# KiCad board SmartEnergyMag_System.kicad_pcb
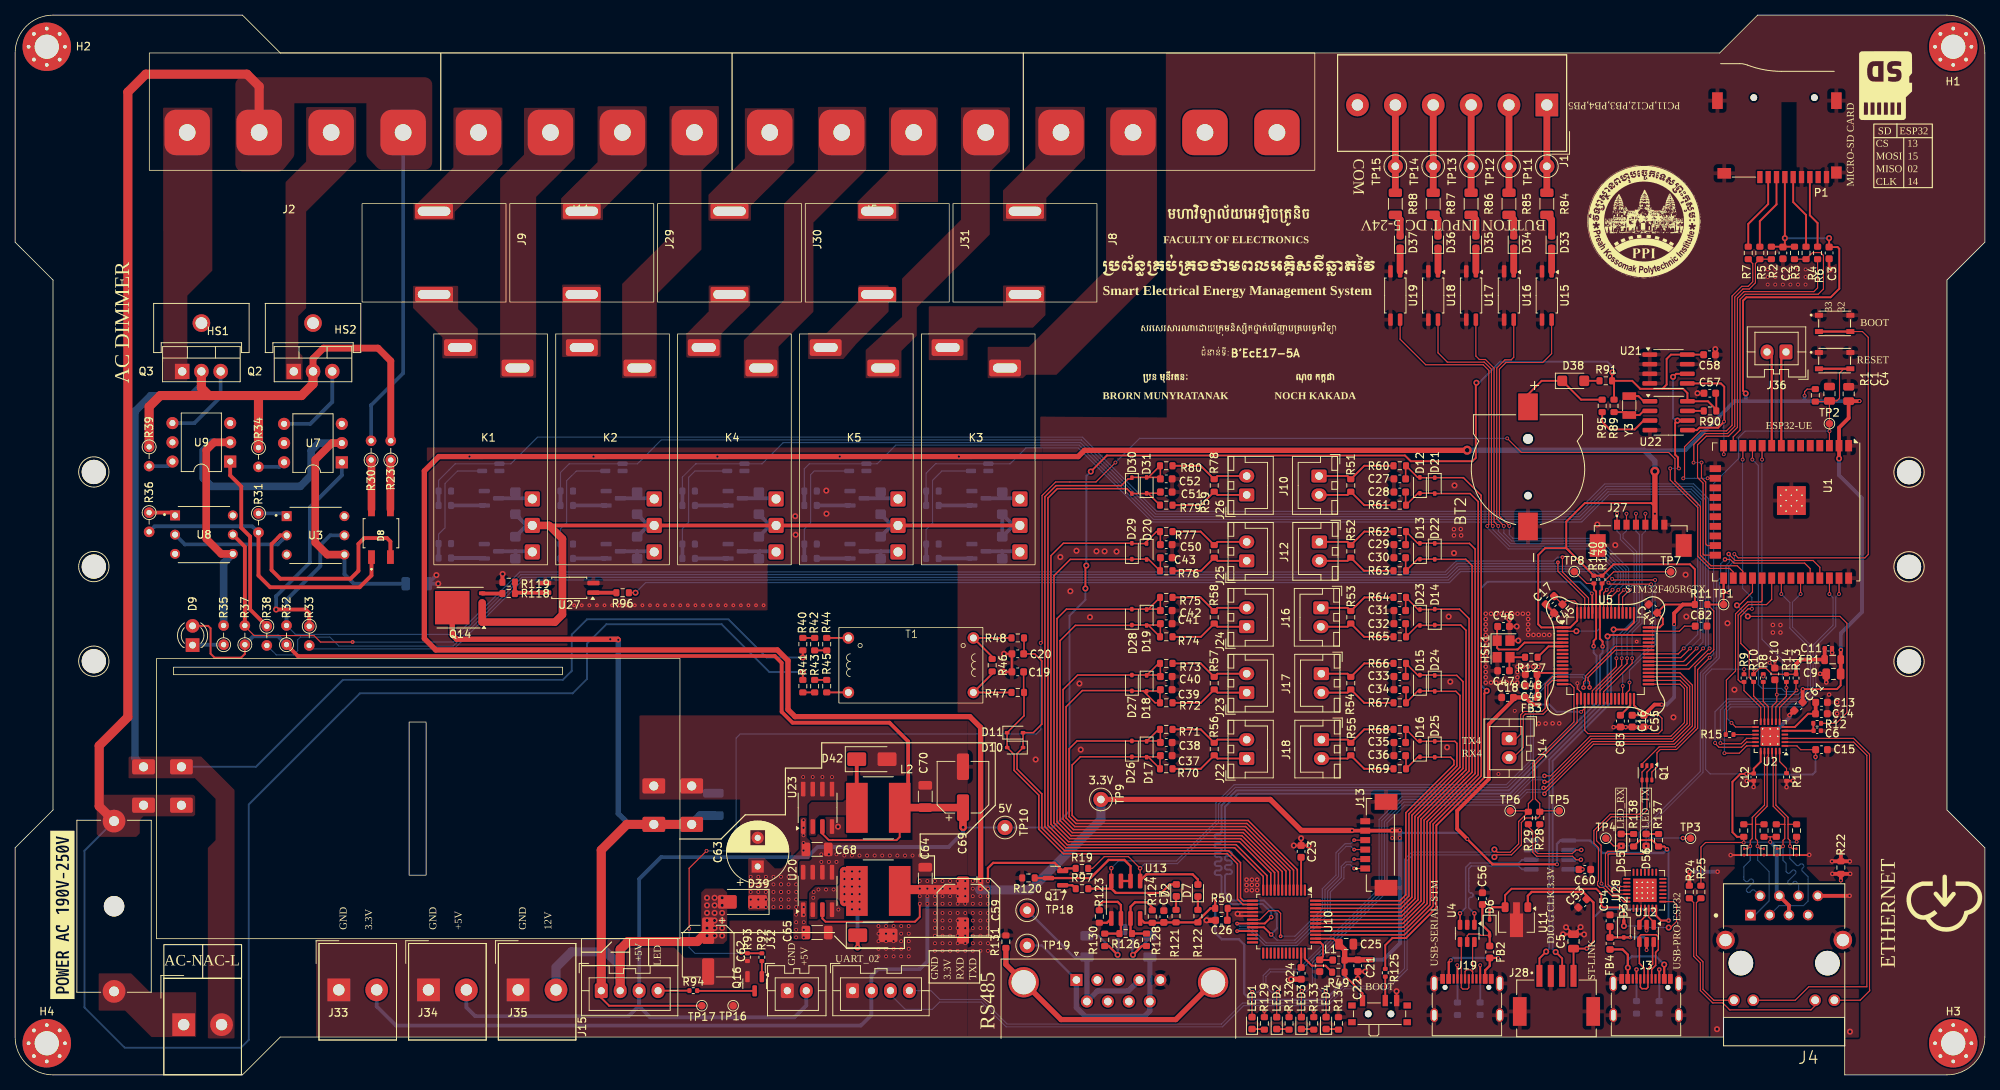
[diagram p0: board, top side]
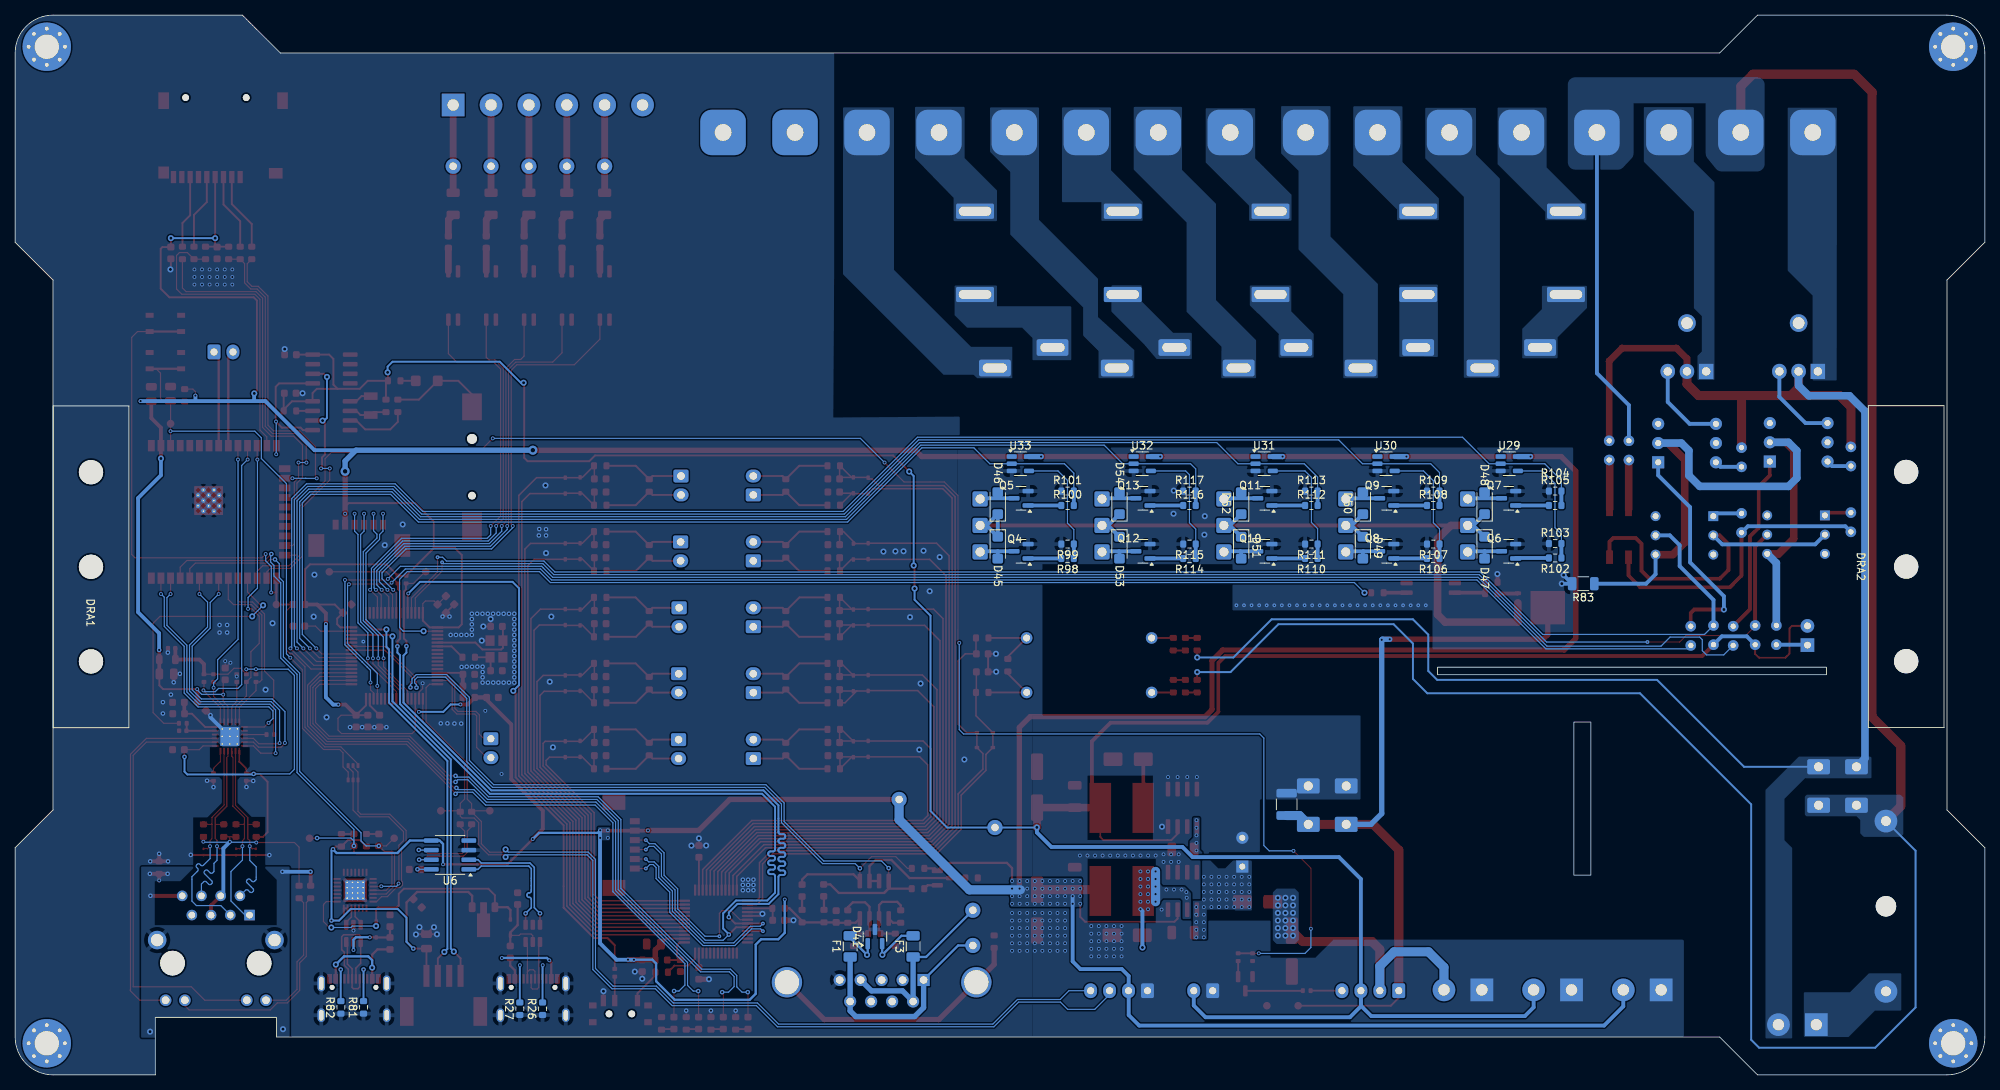
[diagram p1: board, bottom side, seen from below]

Outline 260 x 140 mm; copper layers: Top, Bottom (plane). Coordinates in mm from the lower left corner of the outline.
Outline path: rectangle 20.9,53.86 72.25,52.86 ; rectangle 52,46.61 54.25,26.38 ; 0,135 0,110 5,105 5,35 0,30 0,5 arc(1.46,1.46) 5,0 30,0 35,5 225.5,5 225.5,7.6 241.5,7.6 241.5,0 255,0 arc(258.54,1.46) 260,5 260,30 255,35 255,105 260,110 260,135 arc(258.54,138.54) 255,140 230,140 225,135 35,135 30,140 5,140 arc(1.46,138.54) 0,135
Stack: Top 0.035mm / dielectric 1.51mm FR4 er 4.5 / Bottom 0.035mm

## Placement (name value [footprint] x y rotation side)
BOOT1  SW_DPDT_x2  [SW_SPDT_PCM12]  180.11 8.38 0 top
BT2  BC501SM  [BAT_BC501SM]  199.69 80.02 90 top
C1  2.2uF  [C_0805_2012Metric]  239.49 89.99 90 top
C2  100nF  [C_0603_1608Metric]  233.35 108.58 270 top
C3  1uF  [C_0603_1608Metric]  239.44 108.58 270 top
C4  22uF  [C_0805_2012Metric]  242.03 89.96 90 top
C5  22uF  [C_0805_2012Metric]  205.7 17.63 90 top
C6  NC  [C_0402_1005Metric]  237.88 45.47 0 top
C7  100nF  [C_0603_1608Metric]  151.62 20.91 90 top
C9  22uF  [C_0805_2012Metric]  240.02 52.97 0 top
C10  100nF  [C_0603_1608Metric]  232.28 52.97 90 top
C11  100nF  [C_0402_1005Metric]  239.35 56.36 180 top
C12  1uF  [C_0402_1005Metric]  229.49 39.33 90 top
C13  470pF  [C_0603_1608Metric]  238.44 49.21 180 top
C14  1uF  [C_0603_1608Metric]  238.42 47.71 180 top
C15  30pF  [C_0603_1608Metric]  238.44 42.96 0 top
C16  100n  [C_0603_1608Metric]  213.44 46.73 270 top
C17  100n  [C_0603_1608Metric]  202.59 62.7 225 top
C18  100n  [C_0603_1608Metric]  197 49.86 180 top
C19  33nF  [C_0603_1608Metric]  132.35 53.24 180 top
C20  33nF  [C_0603_1608Metric]  132.35 55.62 180 top
C21  100nF  [C_0603_1608Metric]  172.19 14.42 90 top
C22  100nF  [C_0603_1608Metric]  177.22 14.42 270 top
C23  33nF  [C_0603_1608Metric]  169.75 29.52 270 top
C24  33nF  [C_0603_1608Metric]  169.75 13.41 90 top
C25  10uF/10V  [C_0805_2012Metric]  175.69 17.27 180 top
C26  33nF  [C_0603_1608Metric]  159.23 20.42 0 top
C27  33nF  [C_0603_1608Metric]  182.77 78.73 180 top
C28  33nF  [C_0603_1608Metric]  182.77 77 180 top
C29  33nF  [C_0603_1608Metric]  182.77 70.05 180 top
C30  33nF  [C_0603_1608Metric]  182.77 68.32 180 top
C31  33nF  [C_0603_1608Metric]  182.77 61.34 180 top
C32  33nF  [C_0603_1608Metric]  182.77 59.6 180 top
C33  33nF  [C_0603_1608Metric]  182.77 52.62 180 top
C34  33nF  [C_0603_1608Metric]  182.77 50.89 180 top
C35  33nF  [C_0603_1608Metric]  182.77 43.91 180 top
C36  33nF  [C_0603_1608Metric]  182.77 42.17 180 top
C37  33nF  [C_0603_1608Metric]  151.94 42.17 0 top
C38  33nF  [C_0603_1608Metric]  151.94 43.91 0 top
C39  33nF  [C_0603_1608Metric]  151.94 50.89 0 top
C40  33nF  [C_0603_1608Metric]  151.94 52.62 0 top
C41  33nF  [C_0603_1608Metric]  151.94 59.6 0 top
C42  33nF  [C_0603_1608Metric]  151.94 61.34 0 top
C43  33nF  [C_0603_1608Metric]  151.94 68.32 0 top
C44  100n  [C_0603_1608Metric]  216.17 61.6 135 top
C45  100n  [C_0603_1608Metric]  203.69 61.6 225 top
C46  10p  [C_0603_1608Metric]  196.46 59.24 0 top
C47  10p  [C_0603_1608Metric]  196.46 53.39 180 top
C48  1u  [C_0603_1608Metric]  200.12 52.91 180 top
C49  100n  [C_0603_1608Metric]  200.12 51.38 180 top
C50  33nF  [C_0603_1608Metric]  151.94 70.05 0 top
C51  33nF  [C_0603_1608Metric]  151.94 77 0 top
C52  33nF  [C_0603_1608Metric]  151.94 78.73 0 top
C53  100n  [C_0603_1608Metric]  206.88 22.66 45 top
C54  100n  [C_0603_1608Metric]  210.52 20.36 90 top
C55  100n  [C_0603_1608Metric]  215 46.73 270 top
C56  100n  [C_0603_1608Metric]  193.68 23.28 90 top
C57  100nF  [C_0603_1608Metric]  223.69 90.05 0 top
C58  100nF  [C_0603_1608Metric]  223.66 95.14 180 top
C59  220uF/16V  [CP_Elec_6.3x4.5]  125.11 21.76 270 top
C60  100n  [C_0603_1608Metric]  207.19 27.13 180 top
C61  100n  [C_0603_1608Metric]  235.39 48.69 225 top
C62  220uF/35V  [CP_Elec_6.3x4.5]  91.48 16.35 270 top
C63  220uF/35V  [CP_Radial_D8.0mm_P3.80mm]  98.02 27.52 90 top
C64  C  [C_1206_3216Metric]  120.14 25.95 90 top
C65  C  [C_1206_3216Metric]  105.86 18.8 0 top
C68  C  [C_1206_3216Metric]  105.86 29.79 0 top
C69  220uF/16V  [CP_Elec_6.3x4.5]  125.11 38.01 90 top
C70  C  [C_1206_3216Metric]  120.14 36.77 90 top
C71  C  [C_1210_3225Metric]  92.17 35.73 270 bottom
C82  10p  [C_0603_1608Metric]  222.55 59.28 0 top
C83  10p  [C_0603_1608Metric]  211.89 46.73 270 top
D1  ESD9B3.3ST5G  [D_SOD-923]  232.56 29.45 270 top
D2  LED  [LED_0603_1608Metric]  153.27 24.37 90 top
D3  ESD9B3.3ST5G  [D_SOD-923]  235.13 29.45 270 top
D4  ESD9B3.3ST5G  [D_SOD-923]  228.23 29.45 270 top
D5  ESD9B3.3ST5G  [D_SOD-923]  230.83 29.45 270 top
D6  D_Schottky  [D_SOD-323]  194.62 19.48 270 top
D7  LED  [LED_0603_1608Metric]  156.12 24.35 90 top
D8  MBS6  [DIOB_MBS6]  48.28 71.55 90 top
D9  LED  [LED_D3.0mm]  23.42 56.77 90 top
D10  1N4148WS  [D_SOD-323]  132 43.24 180 top
D11  1N4148WS  [D_SOD-323]  131.99 45.21 0 top
D12  1N4148WS  [D_SOD-323]  185.43 77.89 90 top
D13  1N4148WS  [D_SOD-323]  185.43 69.18 90 top
D14  1N4148WS  [D_SOD-323]  187.38 60.47 90 top
D15  1N4148WS  [D_SOD-323]  185.43 51.77 90 top
D16  1N4148WS  [D_SOD-323]  185.43 43.06 90 top
D17  1N4148WS  [D_SOD-323]  149.36 43.02 270 top
D18  1N4148WS  [D_SOD-323]  149.36 51.72 270 top
D19  1N4148WS  [D_SOD-323]  149.36 60.43 270 top
D20  1N4148WS  [D_SOD-323]  149.36 69.14 270 top
D21  1N4148WS  [D_SOD-323]  187.38 77.84 270 top
D22  1N4148WS  [D_SOD-323]  187.38 69.16 270 top
D23  1N4148WS  [D_SOD-323]  185.43 60.43 270 top
D24  1N4148WS  [D_SOD-323]  187.38 51.72 270 top
D25  1N4148WS  [D_SOD-323]  187.38 43.02 270 top
D26  1N4148WS  [D_SOD-323]  147.41 43.06 90 top
D27  1N4148WS  [D_SOD-323]  147.41 51.77 90 top
D28  1N4148WS  [D_SOD-323]  147.41 60.47 90 top
D29  1N4148WS  [D_SOD-323]  147.41 69.18 90 top
D30  1N4148WS  [D_SOD-323]  147.41 77.84 270 top
D31  1N4148WS  [D_SOD-323]  149.36 77.89 90 top
D32  D_Schottky  [D_SOD-323]  212.35 19.21 270 top
D33  LED  [LED_0603_1608Metric]  202.81 110.02 90 top
D34  LED  [LED_0603_1608Metric]  197.81 110.02 90 top
D35  LED  [LED_0603_1608Metric]  192.81 110.02 90 top
D36  LED  [LED_0603_1608Metric]  187.81 110.02 90 top
D37  LED  [LED_0603_1608Metric]  182.81 110.02 90 top
D38  D  [D_SMF]  205.67 91.69 0 top
D39  SS34  [D_SMA]  96 22.85 180 top
D40  SS34  [D_SMA]  113.22 18.44 0 top
D41  SZNUP2105L  [SOT-23]  146.51 18.28 90 bottom
D42  SS34  [D_SMA]  113.09 41.7 0 top
D45  D  [D_SMF]  130.3 69.65 270 bottom
D46  D  [D_SMF]  130.3 75.52 90 bottom
D47  D  [D_SMF]  66.04 69.65 270 bottom
D48  D  [D_SMF]  66.04 75.52 90 bottom
D49  D  [D_SMF]  82.1 69.65 270 bottom
D50  D  [D_SMF]  82.1 75.52 90 bottom
D51  D  [D_SMF]  98.17 69.65 270 bottom
D52  D  [D_SMF]  98.17 75.52 90 bottom
D53  D  [D_SMF]  114.23 69.65 270 bottom
D54  D  [D_SMF]  114.23 75.52 90 bottom
D55  LED_RX  [LED_0603_1608Metric]  212 31.03 90 top
D56  LED_TX  [LED_0603_1608Metric]  215.28 31.03 90 top
DRA1  DIN_Rail_Adapter  [DINRailAdapter_3xM3_PhoenixContact_1201578]  249.99 67.12 90 top
DRA2  DIN_Rail_Adapter  [DINRailAdapter_3xM3_PhoenixContact_1201578]  10.39 67.15 90 top
F1  0.1A  [Fuse_1206_3216Metric]  149.78 16.97 90 bottom
F2  Fuse  [Fuseholder_Cylinder-5x20mm_Schurter_0031_8201_Horizontal_Open]  13.06 11.03 90 top
F3  0.1A  [Fuse_1206_3216Metric]  141.47 16.97 90 bottom
FB1  C139168  [L_0805_2012Metric]  239.92 54.86 0 top
FB2  FB_Small  [L_0603_1608Metric]  194.64 16.23 270 top
FB3  Ferrite_Bead_Small  [L_0603_1608Metric]  200.12 49.86 180 top
FB4  FB_Small  [L_0603_1608Metric]  210.52 17.36 270 top
G***  -  [LOGO]  246.9 130.69 180 top
G***#2  -  [LOGO]  161.09 102.2 0 top
G***#3  -  [LOGO]  215.02 112.75 0 top
G***#4  -  [LOGO]  254.66 22.69 180 top
H1  MountingHole_Pad  [MountingHole_3.2mm_M3_Pad_Via]  255.82 135.82 0 top
H2  MountingHole_Pad  [MountingHole_3.2mm_M3_Pad_Via]  4.18 135.82 0 top
H3  MountingHole_Pad  [MountingHole_3.2mm_M3_Pad_Via]  255.82 4.17 0 top
H4  MountingHole_Pad  [MountingHole_3.2mm_M3_Pad_Via]  4.18 4.17 0 top
HS1  Heatsink_Pad  [HSINK_SK_95_25_STS_TO_220]  24.59 99.32 0 top
HS2  Heatsink_Pad  [HSINK_SK_95_25_STS_TO_220]  39.32 99.32 0 top
HSE1  8MHz  [Crystal_SMD_Abracon_ABM8G-4Pin_3.2x2.5mm]  196.46 56.27 270 top
J1  Screw_Terminal_01x06  [Altech_AK300_1x06_P5.00mm_45-Degree]  202.18 128.13 180 top
J2  Screw_Terminal_01x04  [DBT50G-9.5-4P]  51.21 124.5 180 top
J3  USB_C_Receptacle_USB2.0_16P  [USB_C_Receptacle_G-Switch_GT-USB-7010ASV]  215.27 8.95 0 top
J4  HR911105A  [HANRUN_HR911105A]  233.51 14.76 180 top
J5  Screw_Terminal_01x04  [DBT50G-9.5-4P]  128.11 124.5 180 top
J6  Screw_Terminal_01x04  [DBT50G-9.5-4P]  166.56 124.5 180 top
J7  DE9_Plug_MountingHoles  [DSUB-9_Male_Horizontal_P2.77x2.84mm_EdgePinOffset4.94mm_Housed_MountingHolesOffset7.48mm]  140.08 12.53 0 top
J8  Conn_01x02_Pin  [ZHT103]  133.3 114 270 top
J9  Conn_01x02_Pin  [ZHT103]  55.3 114 270 top
J10  Conn_01x02_Pin  [JST_XH_B2B-XH-A_1x02_P2.50mm_Vertical]  172.11 79.11 270 top
J11  Screw_Terminal_01x04  [DBT50G-9.5-4P]  89.66 124.5 180 top
J12  Conn_01x02_Pin  [JST_XH_B2B-XH-A_1x02_P2.50mm_Vertical]  172.16 70.41 270 top
J13  0533980671  [MOLEX_0533980671]  178.86 30.38 90 top
J14  Conn_01x02_Pin  [JST_XA_B02B-XASK-1_1x02_P2.50mm_Vertical]  197.21 44.41 270 top
J15  Conn_01x04_Pin  [JST_XA_B04B-XASK-1_1x04_P2.50mm_Vertical]  77.36 11.12 0 top
J16  Conn_01x02_Pin  [JST_XH_B2B-XH-A_1x02_P2.50mm_Vertical]  172.36 61.7 270 top
J17  Conn_01x02_Pin  [JST_XH_B2B-XH-A_1x02_P2.50mm_Vertical]  172.42 53 270 top
J18  Conn_01x02_Pin  [JST_XH_B2B-XH-A_1x02_P2.50mm_Vertical]  172.43 44.29 270 top
J19  C7506797  [USB_C_Receptacle_G-Switch_GT-USB-7010ASV]  191.63 8.95 0 top
J20  Conn_01x04_Pin  [JST_XA_B04B-XASK-1_1x04_P2.50mm_Vertical]  110.53 11.12 0 top
J21  Screw_Terminal_01x02  [Altech_AK300_1x02_P5.00mm_45-Degree]  22.25 6.63 0 top
J22  Conn_01x02_Pin  [JST_XH_B2B-XH-A_1x02_P2.50mm_Vertical]  162.56 41.79 90 top
J23  Conn_01x02_Pin  [JST_XH_B2B-XH-A_1x02_P2.50mm_Vertical]  162.56 50.5 90 top
J24  Conn_01x02_Pin  [JST_XH_B2B-XH-A_1x02_P2.50mm_Vertical]  162.56 59.2 90 top
J25  Conn_01x02_Pin  [JST_XH_B2B-XH-A_1x02_P2.50mm_Vertical]  162.56 67.91 90 top
J26  Conn_01x02_Pin  [JST_XH_B2B-XH-A_1x02_P2.50mm_Vertical]  162.56 76.61 90 top
J27  0533980671  [MOLEX_0533980671]  214.57 72.03 0 top
J28  SM04B-ZESS-TB_LF__SN_  [JST_SM04B-ZESS-TB_LF__SN_]  203.45 13.07 0 top
J29  Conn_01x02_Pin  [ZHT103]  74.8 114 270 top
J30  Conn_01x02_Pin  [ZHT103]  94.3 114 270 top
J31  Conn_01x02_Pin  [ZHT103]  113.8 114 270 top
J32  Conn_01x02_Pin  [JST_XA_B02B-XASK-1_1x02_P2.50mm_Vertical]  101.92 11.12 0 top
J33  Screw_Terminal_01x02  [Altech_AK300_1x02_P5.00mm_45-Degree]  42.73 11.22 0 top
J34  Screw_Terminal_01x02  [Altech_AK300_1x02_P5.00mm_45-Degree]  54.56 11.22 0 top
J35  Screw_Terminal_01x02  [Altech_AK300_1x02_P5.00mm_45-Degree]  66.39 11.22 0 top
J36  Conn_01x02_Pin  [JST_XA_B02B-XASK-1_1x02_P2.50mm_Vertical]  233.75 95.51 180 top
K1  Relay_SPST-NO  [K88A]  70.27 67.38 90 top
K2  Relay_SPST-NO  [K88A]  86.36 67.38 90 top
K3  Relay_SPST-NO  [K88A]  134.62 67.38 90 top
K4  Relay_SPST-NO  [K88A]  102.45 67.38 90 top
K5  Relay_SPST-NO  [K88A]  118.54 67.38 90 top
kibuzzard-6667FAC2  G***  [kibuzzard-6667FAC2]  6.24 21.13 90 top
L1  L  [L_0603_1608Metric]  174.71 15.17 0 top
L2  C3224219  [L_Bourns_SRN8040TA]  113.93 35.28 0 top
L4  C3224219  [L_Bourns_SRN8040TA]  113.93 24.29 0 top
LED1  R  [LED_0603_1608Metric]  163.26 6.84 90 top
LED2  R  [LED_0603_1608Metric]  166.52 6.84 90 top
LED3  Y  [LED_0603_1608Metric]  169.79 6.84 90 top
LED4  B  [LED_0603_1608Metric]  173.05 6.84 90 top
P1  C7529389  [SUNTECH_ST-TF-003A]  233.82 123.94 180 top
PS1  HLK-12M05A  [AC-DC]  21.95 48.4 0 top
Q1  C62892  [SOT-363_SC-70-6]  215.39 39.91 270 top
Q2  BT136-600  [TO-220-3_Vertical]  36.78 92.94 0 top
Q3  BT136-600  [TO-220-3_Vertical]  22.05 92.94 0 top
Q4  Q_NPN_BEC  [SOT-23]  127.23 69.17 0 bottom
Q5  Q_NPN_BEC  [SOT-23]  127.23 76.17 0 bottom
Q6  Q_NPN_BEC  [SOT-23]  62.86 69.17 0 bottom
Q7  Q_NPN_BEC  [SOT-23]  62.86 76.17 0 bottom
Q8  Q_NPN_BEC  [SOT-23]  78.95 69.17 0 bottom
Q9  Q_NPN_BEC  [SOT-23]  78.95 76.17 0 bottom
Q10  Q_NPN_BEC  [SOT-23]  95.05 69.17 0 bottom
Q11  Q_NPN_BEC  [SOT-23]  95.05 76.17 0 bottom
Q12  Q_NPN_BEC  [SOT-23]  111.14 69.17 0 bottom
Q13  Q_NPN_BEC  [SOT-23]  111.14 76.17 0 bottom
Q14  BSC026N08NS5  [TDSON-8-1]  58.75 61.72 180 top
Q16  Q_NPN_BEC  [SOT-23]  97.61 12.03 270 top
Q17  Q_PNP_BEC  [SOT-23]  137.34 26 180 top
R1  100K  [R_0603_1608Metric]  237.62 89.77 270 top
R2  10K  [R_0603_1608Metric]  231.82 108.58 90 top
R3  10K  [R_0603_1608Metric]  234.87 108.58 90 top
R4  22R  [R_0603_1608Metric]  236.39 108.58 90 top
R5  22R  [R_0603_1608Metric]  230.3 108.58 90 top
R6  22R  [R_0603_1608Metric]  237.92 108.58 90 top
R7  22R  [R_0603_1608Metric]  228.77 108.58 90 top
R8  10K  [R_0402_1005Metric]  230.75 52.42 270 top
R9  10K  [R_0402_1005Metric]  228.21 52.42 90 top
R10  10K  [R_0402_1005Metric]  229.48 52.42 90 top
R11  4.7K  [R_0603_1608Metric]  222.55 62.13 0 top
R12  0R  [R_0402_1005Metric]  237.86 46.44 0 top
R13  10K  [R_0402_1005Metric]  235.08 52.42 90 top
R14  10K  [R_0402_1005Metric]  233.81 52.42 90 top
R15  0R  [R_0402_1005Metric]  226.31 44.96 180 top
R16  12.1K  [R_0402_1005Metric]  233.82 39.35 90 top
R17  49.9R  [R_0603_1608Metric]  230.85 32.27 270 top
R18  49.9R  [R_0603_1608Metric]  228.18 32.27 270 top
R19  220K  [R_0603_1608Metric]  140.81 27.28 0 top
R20  49.9R  [R_0603_1608Metric]  235.14 32.27 270 top
R21  49.9R  [R_0603_1608Metric]  232.47 32.27 270 top
R22  0R  [R_0603_1608Metric]  241 27.38 90 top
R23  47K  [R_Axial_DIN0204_L3.6mm_D1.6mm_P2.54mm_Vertical]  49.58 81.23 90 top
R24  1K  [R_0603_1608Metric]  221 24.16 90 top
R25  1K  [R_0603_1608Metric]  222.52 24.16 90 top
R26  5.1K  [R_0603_1608Metric]  190.38 8.73 90 bottom
R27  5.1K  [R_0603_1608Metric]  193.38 8.73 90 bottom
R28  22R  [R_0603_1608Metric]  201.25 33.94 270 top
R29  22R  [R_0603_1608Metric]  199.75 33.94 270 top
R30  47K  [R_Axial_DIN0204_L3.6mm_D1.6mm_P2.54mm_Vertical]  46.98 81.23 90 top
R31  1K  [R_Axial_DIN0204_L3.6mm_D1.6mm_P2.54mm_Vertical]  32.12 74.18 270 top
R32  10K  [R_Axial_DIN0204_L3.6mm_D1.6mm_P2.54mm_Vertical]  35.82 56.83 90 top
R33  330  [R_Axial_DIN0204_L3.6mm_D1.6mm_P2.54mm_Vertical]  38.82 59.27 270 top
R34  330  [R_Axial_DIN0204_L3.6mm_D1.6mm_P2.54mm_Vertical]  32.12 82.86 270 top
R35  1K  [R_Axial_DIN0204_L3.6mm_D1.6mm_P2.54mm_Vertical]  27.52 56.83 90 top
R36  1K  [R_Axial_DIN0204_L3.6mm_D1.6mm_P2.54mm_Vertical]  17.69 74.28 270 top
R37  10K  [R_Axial_DIN0204_L3.6mm_D1.6mm_P2.54mm_Vertical]  30.32 56.83 90 top
R38  330  [R_Axial_DIN0204_L3.6mm_D1.6mm_P2.54mm_Vertical]  33.22 59.27 270 top
R39  330  [R_Axial_DIN0204_L3.6mm_D1.6mm_P2.54mm_Vertical]  17.69 82.96 270 top
R40  22K  [R_0603_1608Metric]  103.98 56.9 90 top
R41  22K  [R_0603_1608Metric]  103.98 51.35 270 top
R42  22K  [R_0603_1608Metric]  105.53 56.9 270 top
R43  22K  [R_0603_1608Metric]  105.53 51.35 90 top
R44  22K  [R_0603_1608Metric]  107.12 56.9 90 top
R45  22K  [R_0603_1608Metric]  107.12 51.35 270 top
R46  220R  [R_0603_1608Metric]  128.96 54.12 270 top
R47  510R  [R_0603_1608Metric]  132.35 50.52 0 top
R48  510R  [R_0603_1608Metric]  132.35 57.72 0 top
R49  220R  [R_0603_1608Metric]  174.67 13.56 180 top
R50  2K  [R_0603_1608Metric]  159.23 22 180 top
R51  30R  [R_0603_1608Metric]  176.3 77.86 90 top
R52  30R  [R_0603_1608Metric]  176.3 69.16 90 top
R53  30R  [R_0603_1608Metric]  176.3 60.45 90 top
R54  30R  [R_0603_1608Metric]  176.3 51.75 90 top
R55  30R  [R_0603_1608Metric]  176.3 43.04 90 top
R56  30R  [R_0603_1608Metric]  158.27 43.04 270 top
R57  30R  [R_0603_1608Metric]  158.27 51.75 270 top
R58  30R  [R_0603_1608Metric]  158.27 60.45 270 top
R59  30R  [R_0603_1608Metric]  158.27 69.16 270 top
R60  510R  [R_0603_1608Metric]  182.77 80.47 0 top
R61  510R  [R_0603_1608Metric]  182.77 75.26 0 top
R62  510R  [R_0603_1608Metric]  182.77 71.77 0 top
R63  510R  [R_0603_1608Metric]  182.77 66.6 0 top
R64  510R  [R_0603_1608Metric]  182.77 63.07 0 top
R65  510R  [R_0603_1608Metric]  182.77 57.87 0 top
R66  510R  [R_0603_1608Metric]  182.77 54.36 0 top
R67  510R  [R_0603_1608Metric]  182.77 49.15 0 top
R68  510R  [R_0603_1608Metric]  182.77 45.64 0 top
R69  510R  [R_0603_1608Metric]  182.77 40.44 0 top
R70  510R  [R_0603_1608Metric]  151.94 40.44 180 top
R71  510R  [R_0603_1608Metric]  151.94 45.64 180 top
R72  510R  [R_0603_1608Metric]  151.94 49.15 180 top
R73  510R  [R_0603_1608Metric]  151.94 54.36 180 top
R74  510R  [R_0603_1608Metric]  151.94 57.87 180 top
R75  510R  [R_0603_1608Metric]  151.94 63.07 180 top
R76  510R  [R_0603_1608Metric]  151.94 66.6 180 top
R77  510R  [R_0603_1608Metric]  151.94 71.77 180 top
R78  30R  [R_0603_1608Metric]  158.27 77.86 270 top
R79  510R  [R_0603_1608Metric]  151.94 75.26 180 top
R80  510R  [R_0603_1608Metric]  151.94 80.47 180 top
R81  5.1K  [R_0603_1608Metric]  214.01 8.91 90 bottom
R82  5.1K  [R_0603_1608Metric]  217 8.91 90 bottom
R83  0R  [R_1206_3216Metric]  53.02 64.88 0 bottom
R84  510R  [R_1206_3216Metric]  202.18 115.07 270 top
R85  510R  [R_1206_3216Metric]  197.18 115.07 270 top
R86  510R  [R_1206_3216Metric]  192.18 115.07 270 top
R87  510R  [R_1206_3216Metric]  187.18 115.07 270 top
R88  510R  [R_1206_3216Metric]  182.18 115.07 270 top
R89  100K  [R_0603_1608Metric]  211.06 88.38 270 top
R90  10K  [R_0603_1608Metric]  223.73 87.71 180 top
R91  100R  [R_0603_1608Metric]  209.96 91.69 180 top
R92  1K  [R_0402_1005Metric]  98.56 15.55 90 top
R93  1K  [R_0402_1005Metric]  96.67 15.55 90 top
R94  1K  [R_0402_1005Metric]  89.52 11.12 0 top
R95  100R  [R_0603_1608Metric]  209.49 88.38 90 top
R96  100R  [R_0603_1608Metric]  80.19 63.69 180 top
R97  220K  [R_0603_1608Metric]  140.82 24.59 0 top
R98  4.7K  [R_0603_1608Metric]  121.08 68.22 0 bottom
R99  100K  [R_0603_1608Metric]  121.08 70.12 0 bottom
R100  4.7K  [R_0603_1608Metric]  121.08 75.22 180 bottom
R101  100K  [R_0603_1608Metric]  121.08 77.12 180 bottom
R102  4.7K  [R_0603_1608Metric]  56.72 68.28 0 bottom
R103  100K  [R_0603_1608Metric]  56.72 70.19 0 bottom
R104  4.7K  [R_0603_1608Metric]  56.72 75.22 180 bottom
R105  100K  [R_0603_1608Metric]  56.72 77.12 180 bottom
R106  4.7K  [R_0603_1608Metric]  72.81 68.22 0 bottom
R107  100K  [R_0603_1608Metric]  72.81 70.12 0 bottom
R108  4.7K  [R_0603_1608Metric]  72.81 75.22 180 bottom
R109  100K  [R_0603_1608Metric]  72.81 77.12 180 bottom
R110  4.7K  [R_0603_1608Metric]  88.9 68.22 0 bottom
R111  100K  [R_0603_1608Metric]  88.9 70.12 0 bottom
R112  4.7K  [R_0603_1608Metric]  88.9 75.22 180 bottom
R113  100K  [R_0603_1608Metric]  88.9 77.12 180 bottom
R114  4.7K  [R_0603_1608Metric]  104.99 68.22 0 bottom
R115  100K  [R_0603_1608Metric]  104.99 70.12 0 bottom
R116  4.7K  [R_0603_1608Metric]  104.99 75.22 180 bottom
R117  100K  [R_0603_1608Metric]  104.99 77.12 180 bottom
R118  4.7K  [R_0603_1608Metric]  65.14 63.58 180 top
R119  100K  [R_0603_1608Metric]  65.14 65.08 180 top
R120  20K  [R_0603_1608Metric]  133.75 26.01 180 top
R121  10K  [R_0603_1608Metric]  153.24 20.97 90 top
R122  10K  [R_0603_1608Metric]  156.12 20.97 90 top
R123  4.7K  [R_0603_1608Metric]  143.11 20.91 270 top
R124  4.7K  [R_0603_1608Metric]  150.1 20.91 90 top
R125  10K  [R_0402_1005Metric]  180.86 13.48 270 top
R126  DNP  [R_0603_1608Metric]  146.6 18.66 180 top
R127  620  [R_0603_1608Metric]  200.13 55.17 180 top
R128  10R  [R_0603_1608Metric]  149.33 17.84 90 top
R129  330  [R_0603_1608Metric]  164.89 6.8 270 top
R130  10R  [R_0603_1608Metric]  143.82 17.84 90 top
R131  0R  [R_0603_1608Metric]  130.77 17.59 90 top
R132  330  [R_0603_1608Metric]  168.16 6.8 270 top
R133  330  [R_0603_1608Metric]  171.42 6.8 270 top
R134  100  [R_0603_1608Metric]  174.68 6.8 270 top
R137  5.1K  [R_0603_1608Metric]  216.93 30.99 90 top
R138  5.1K  [R_0603_1608Metric]  213.64 30.99 90 top
R139  10K  [R_0402_1005Metric]  209.47 65.44 270 top
R140  10K  [R_0402_1005Metric]  208.39 65.44 270 top
SW1  C221895  [SW_PTS810_SJM_250_SMTR_LFS]  240.17 94.36 0 top
SW2  C221895  [SW_PTS810_SJM_250_SMTR_LFS]  240.17 99.28 0 top
T1  -  [HPT225A-G]  118.33 57.72 0 top
TP1  TestPoint_Probe  [TestPoint_Pad_D1.0mm]  225.51 62.13 0 top
TP2  TestPoint_Probe  [TestPoint_Pad_D1.0mm]  239.49 86.03 0 top
TP3  TestPoint_Probe  [TestPoint_Pad_D1.0mm]  221.14 31.26 0 top
TP4  TestPoint_Probe  [TestPoint_Pad_D1.0mm]  209.97 31.26 0 top
TP5  TestPoint_Probe  [TestPoint_Pad_D1.0mm]  203.82 34.88 0 top
TP6  TestPoint_Probe  [TestPoint_Pad_D1.0mm]  197.35 34.88 0 top
TP7  TestPoint_Probe  [TestPoint_Pad_D1.0mm]  218.54 66.45 0 top
TP8  TestPoint_Probe  [TestPoint_Pad_D1.0mm]  205.8 66.48 0 top
TP9  TestPoint_Probe  [TestPoint_Loop_D1.80mm_Drill1.0mm_Beaded]  143.32 36.38 90 top
TP10  TestPoint_Probe  [TestPoint_Loop_D1.80mm_Drill1.0mm_Beaded]  130.67 32.67 90 top